# Altium PCB betrusted_dvt1b-dfm.PcbDoc (part 1 of 6)
Units mm, origin at the board's own origin, x right, y up, seen from the top; angles counter-clockwise.
Board outline 62.8 x 53.83 mm, 6 copper layers (L1, L2, L3, L6, L7, L8), stack 0.693 mm thick; 407 components, 299 nets, 1950 pads, 2038 vias.
Unrouted connection lines stored in the file: 1.
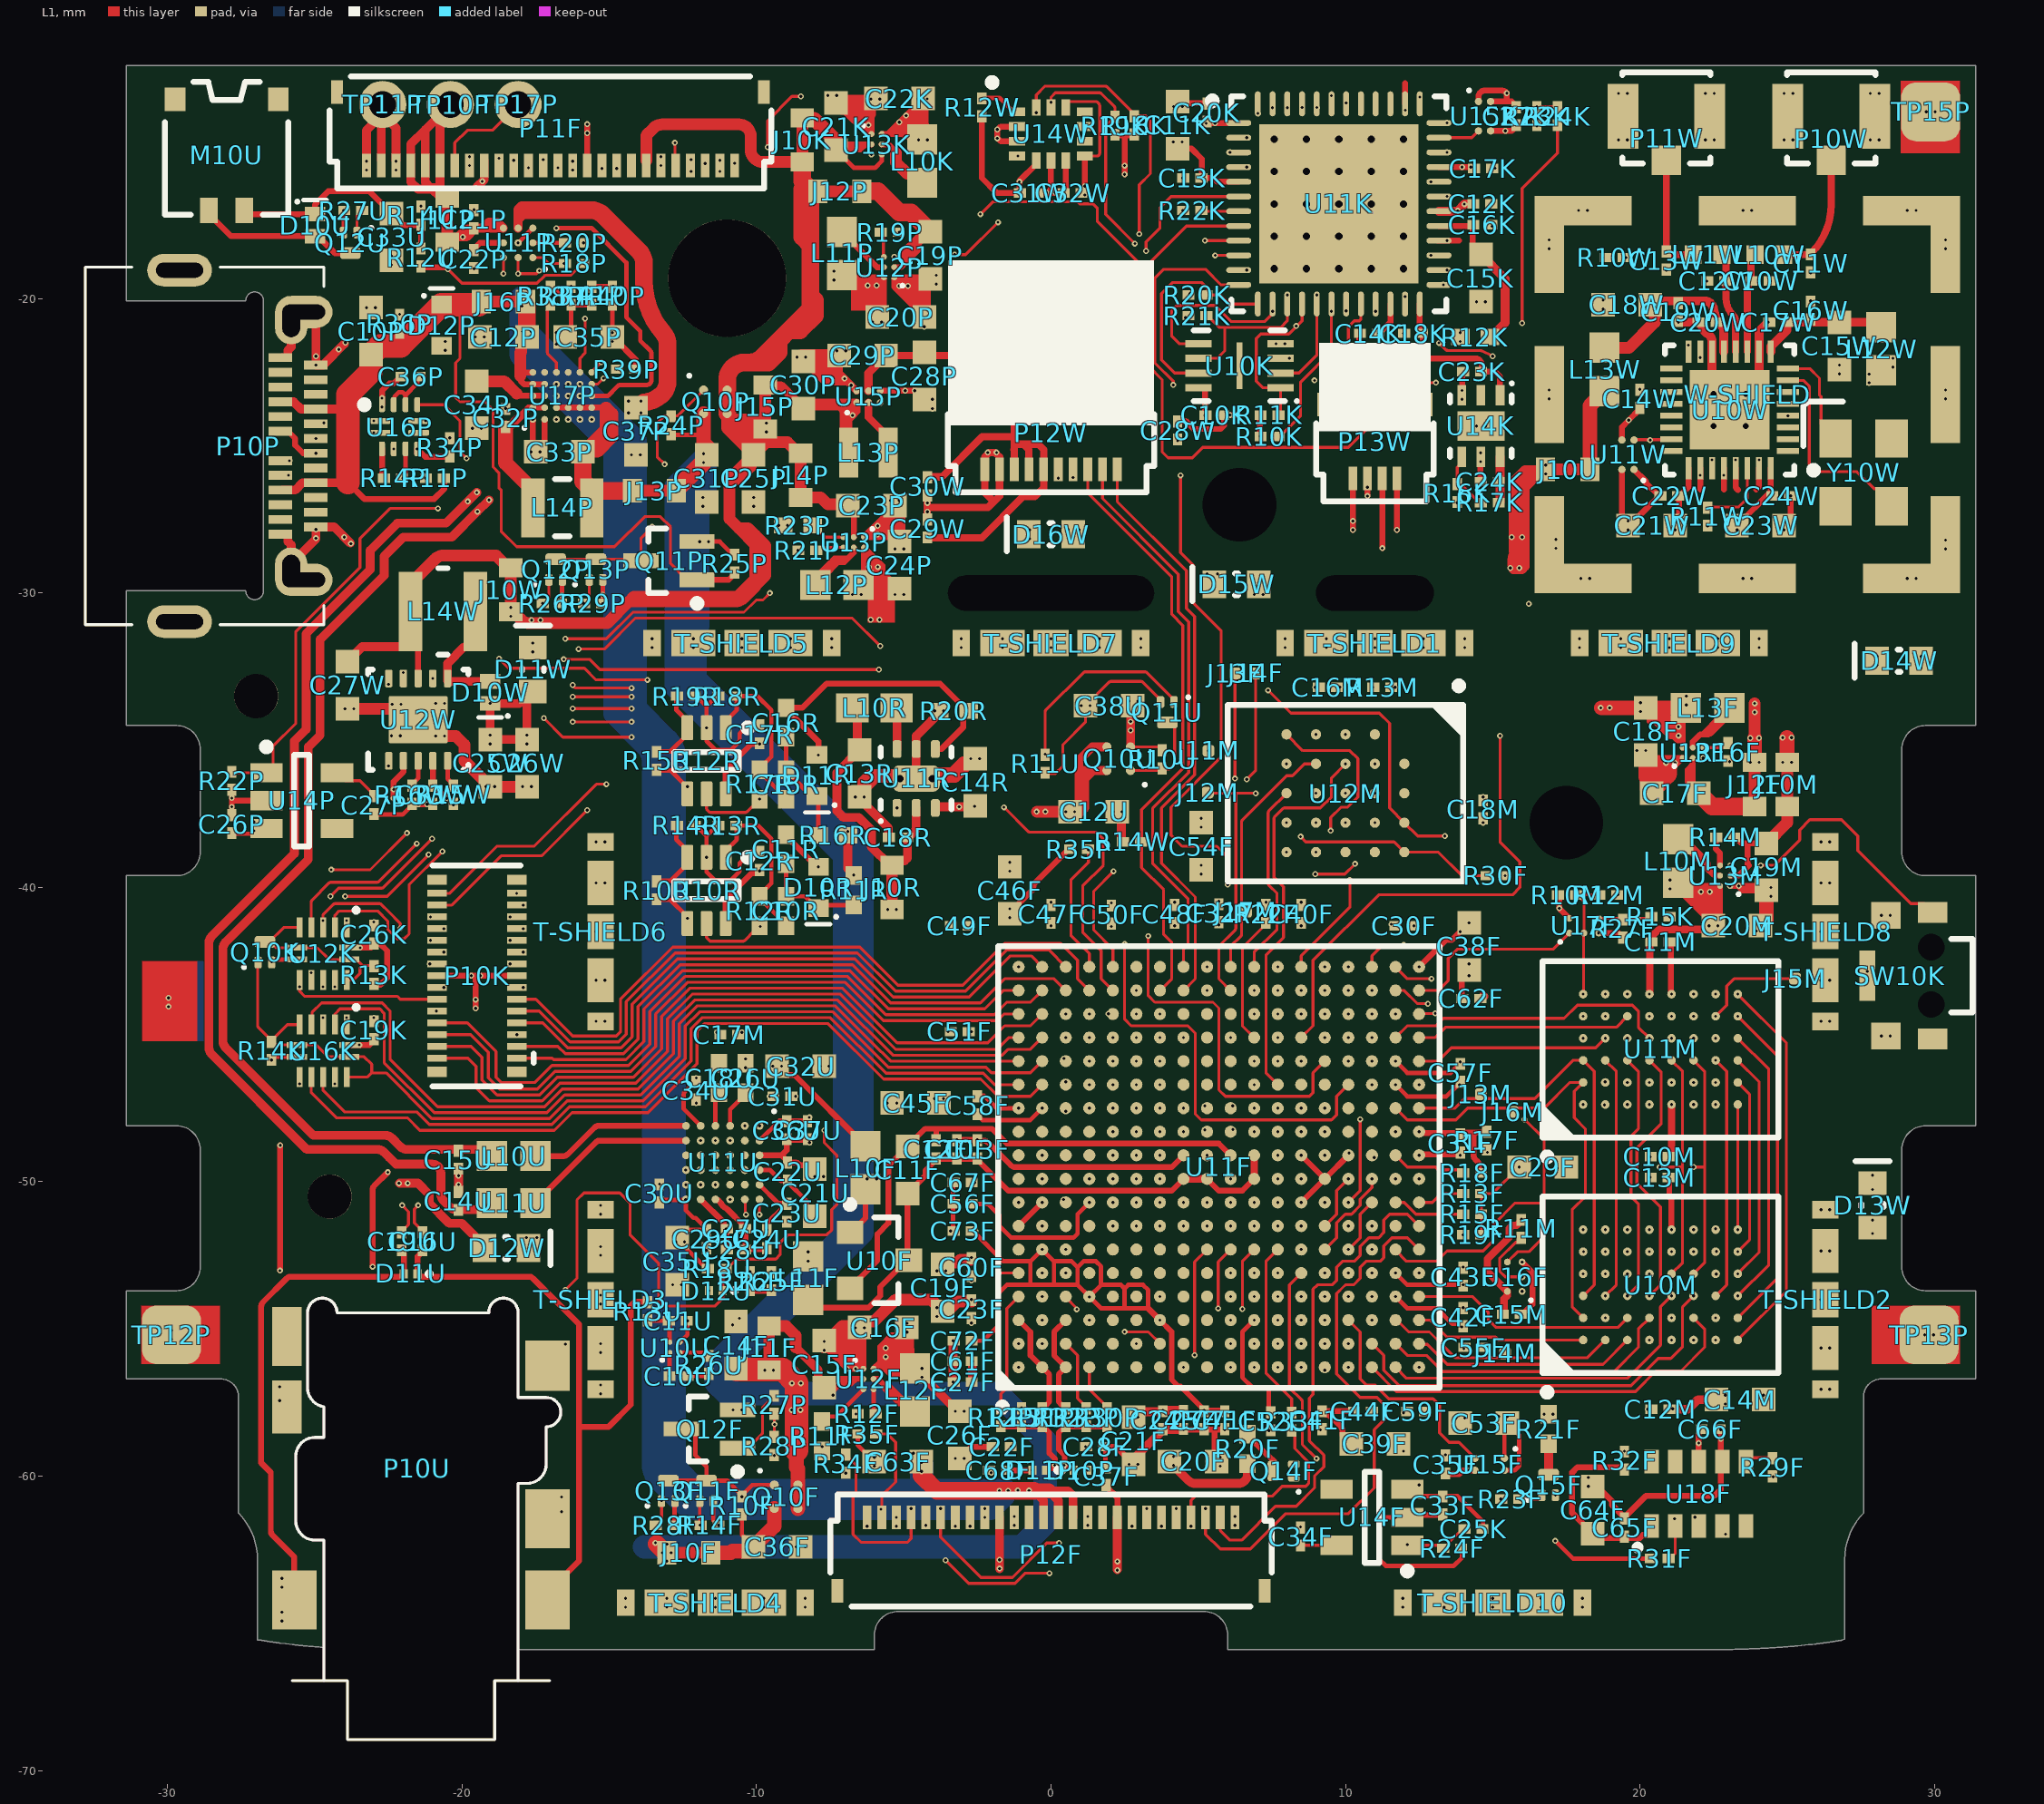
[diagram p0: L1 view]
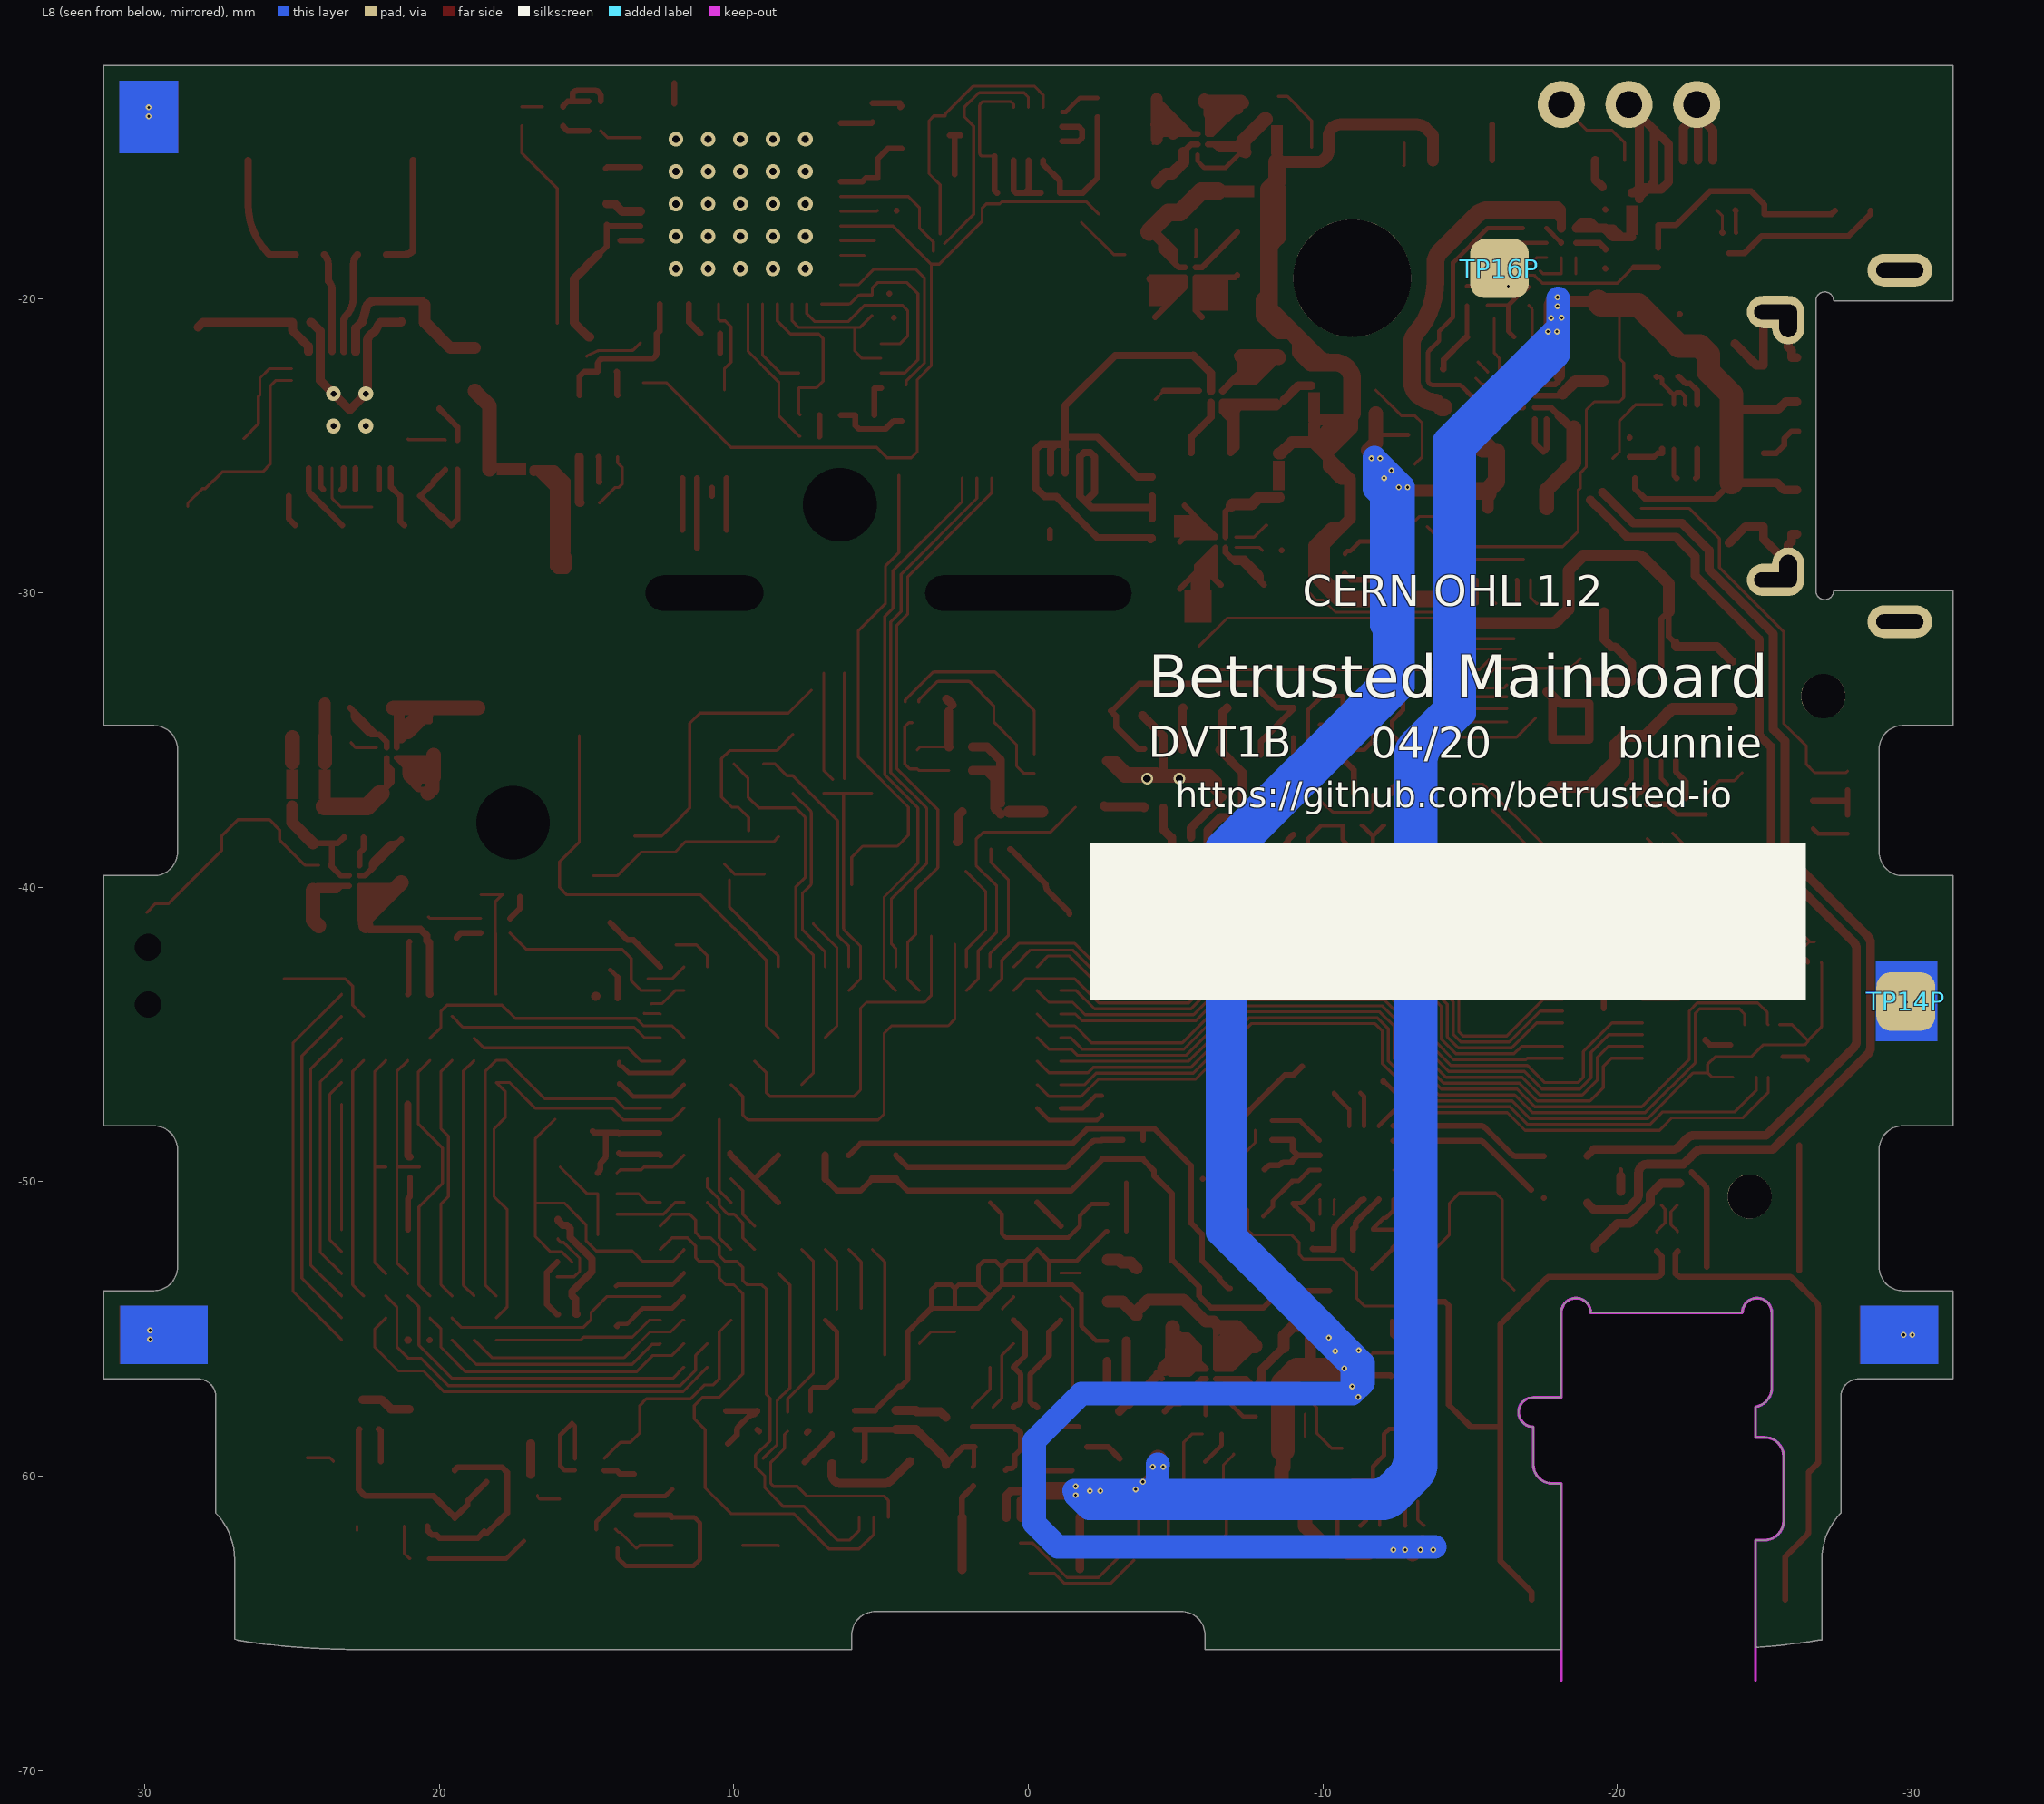
[diagram p1: L8 view, seen from below]
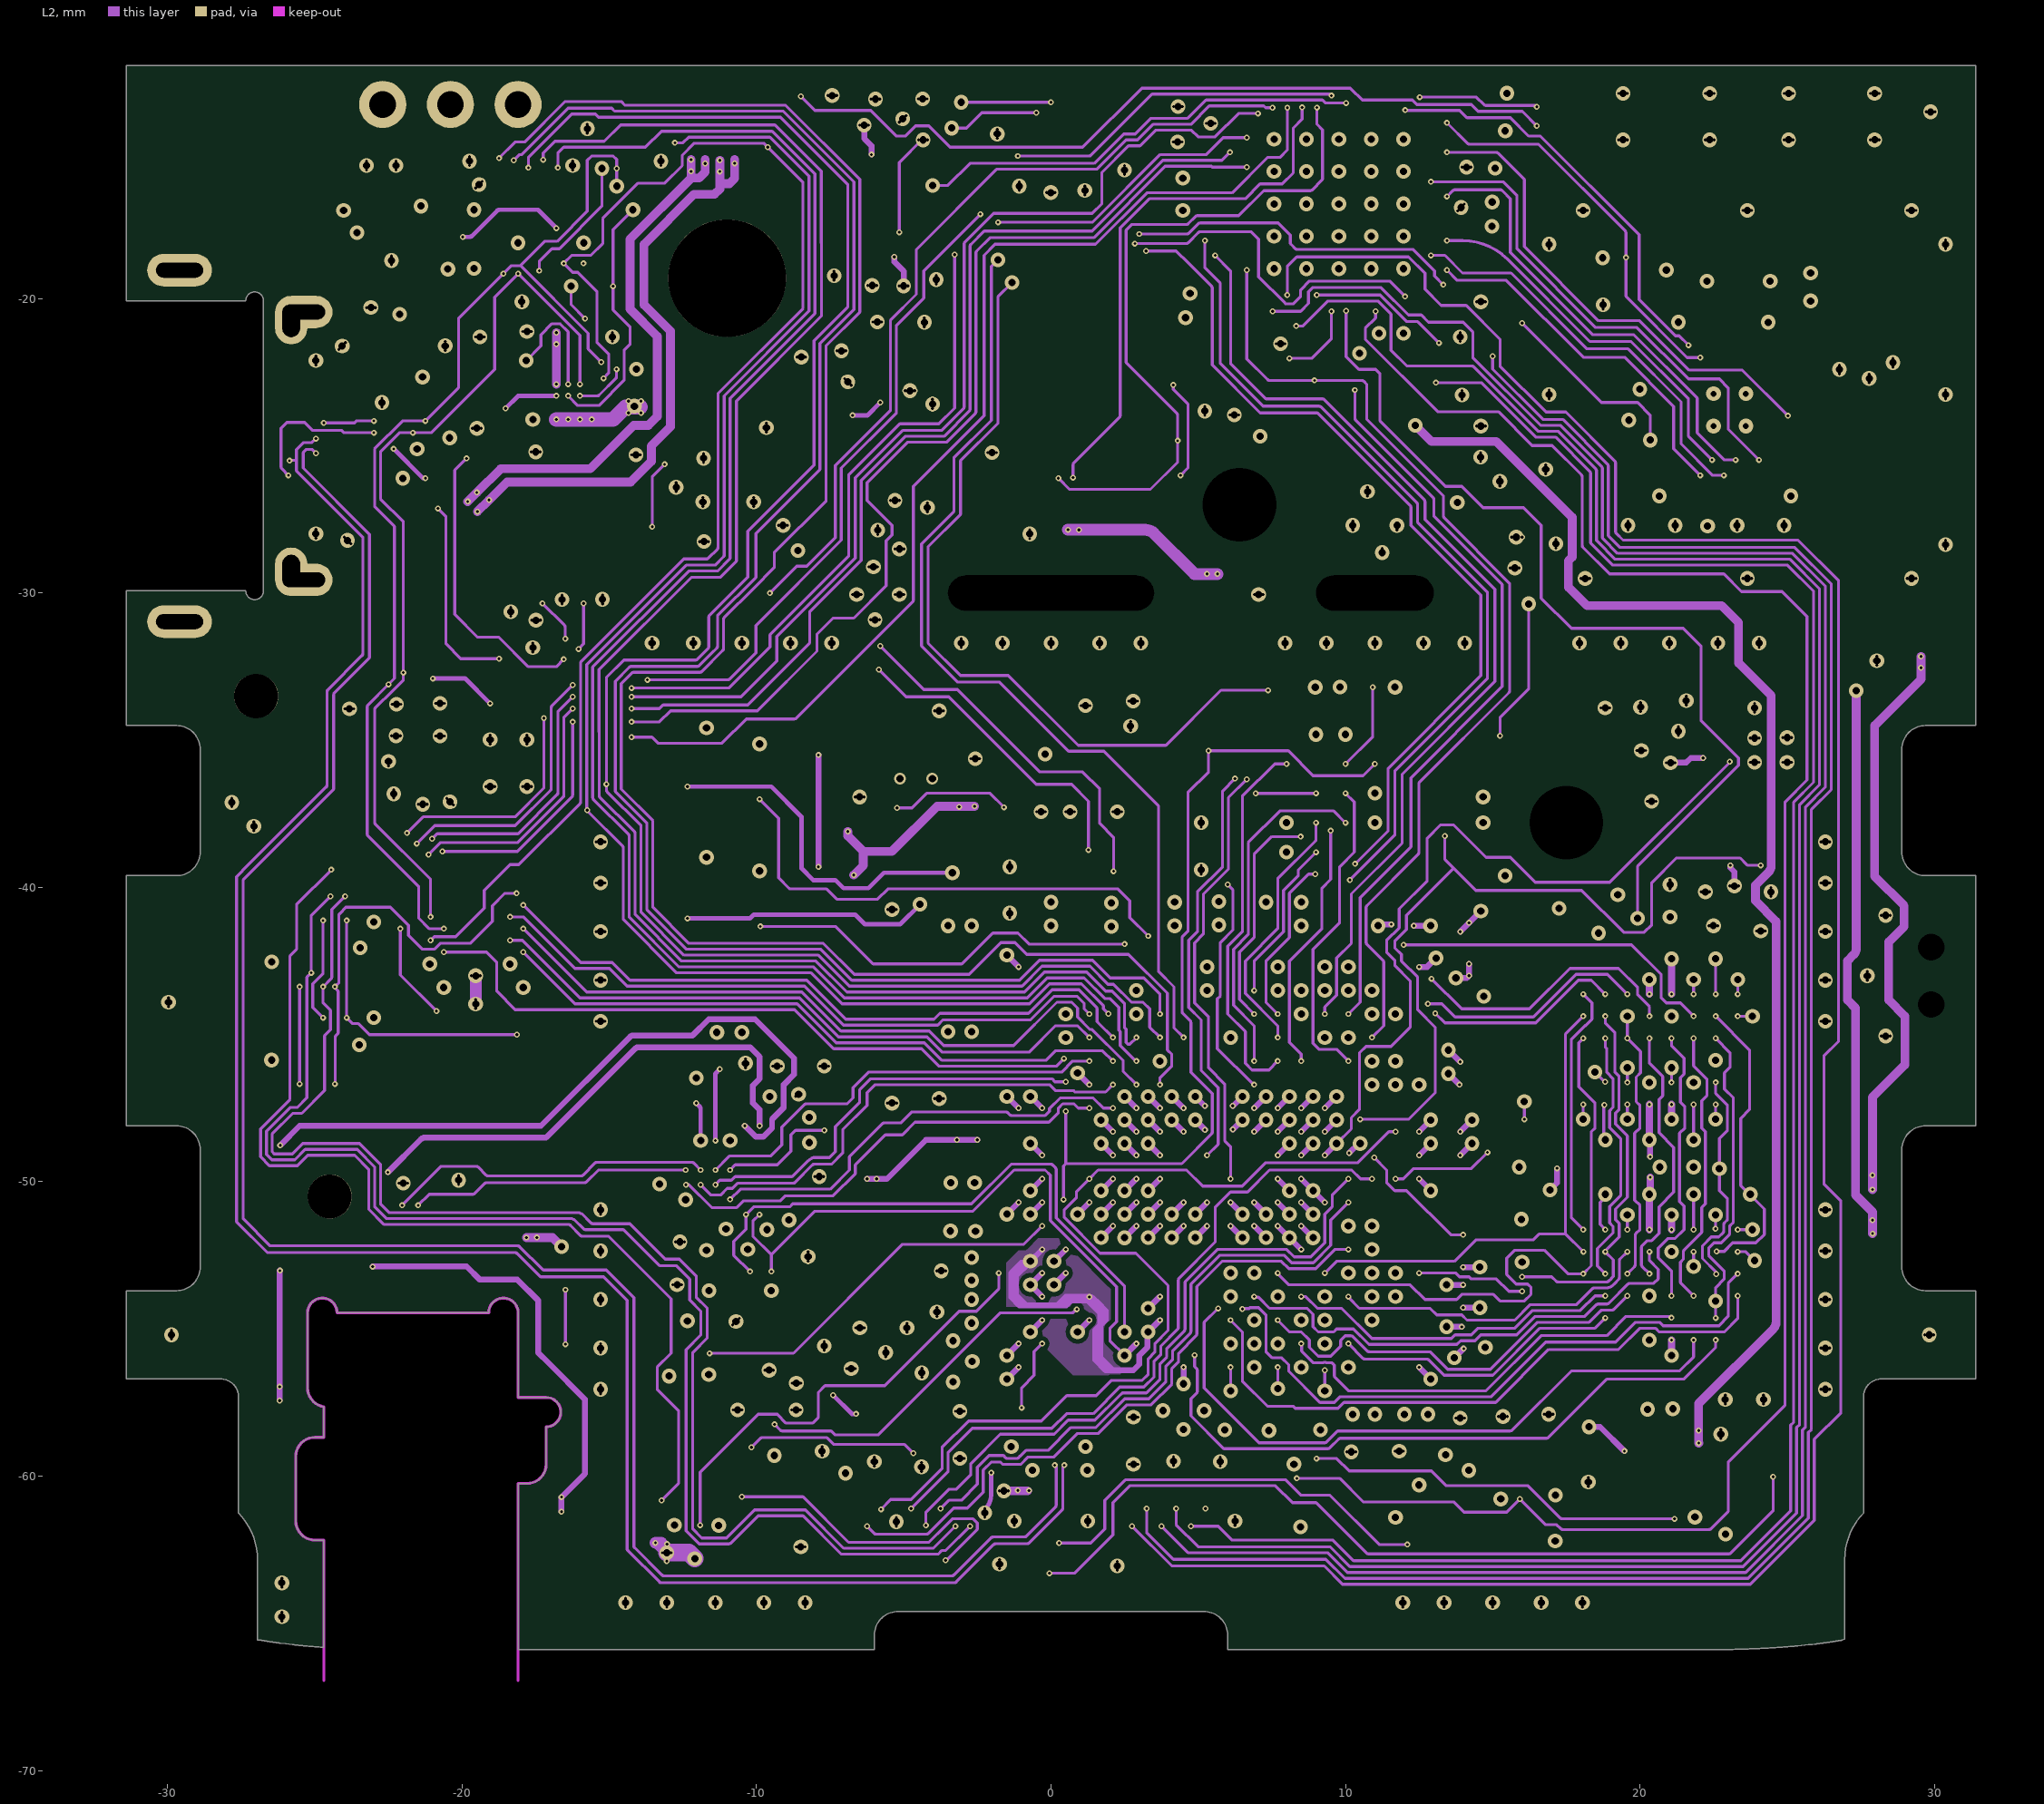
[diagram p2: L2]
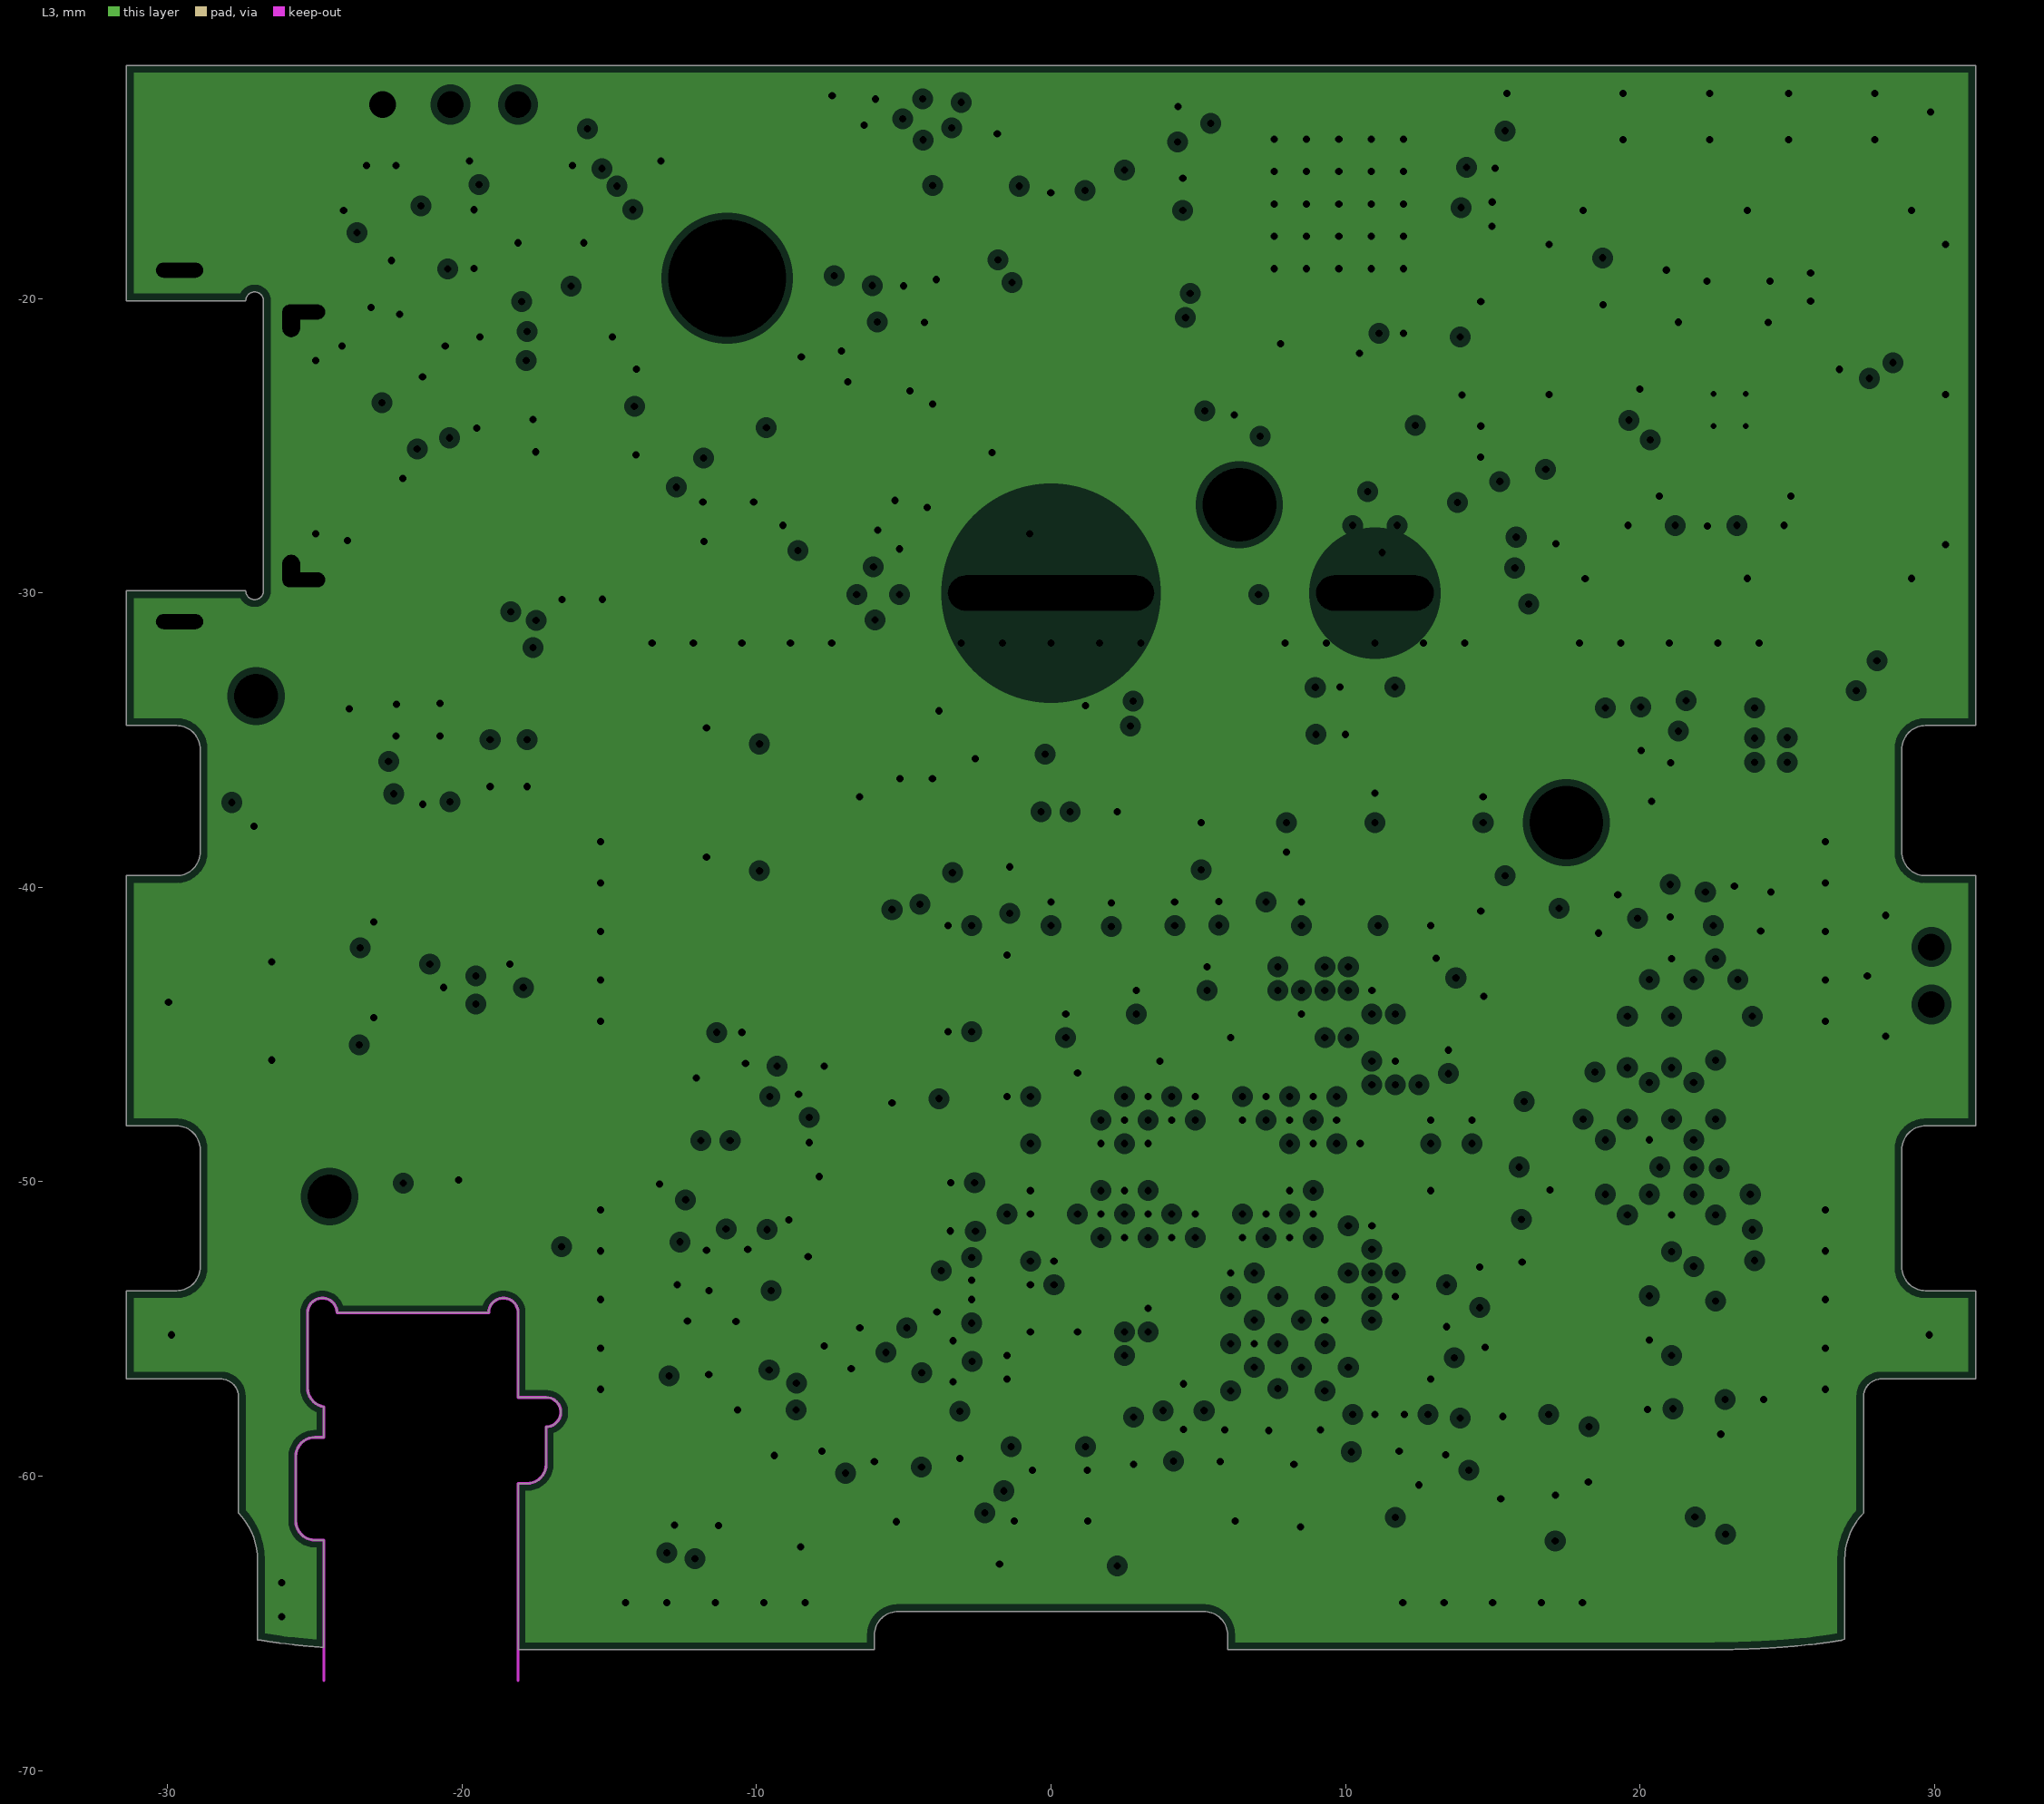
[diagram p3: L3, clearances drawn from the general rule]